# Altium PCB M5_Display.PcbDoc (part 2 of 2)
Units mil, origin at the board's own origin, x right, y up, seen from the top; angles counter-clockwise.
Board outline 2755.91 x 1968.5 mil, 4 copper layers (Top Layer, PWRS, GND, Bottom Layer), stack 61.19 mil thick; 175 components, 119 nets, 540 pads, 377 vias.
Unrouted connection lines stored in the file: 3.
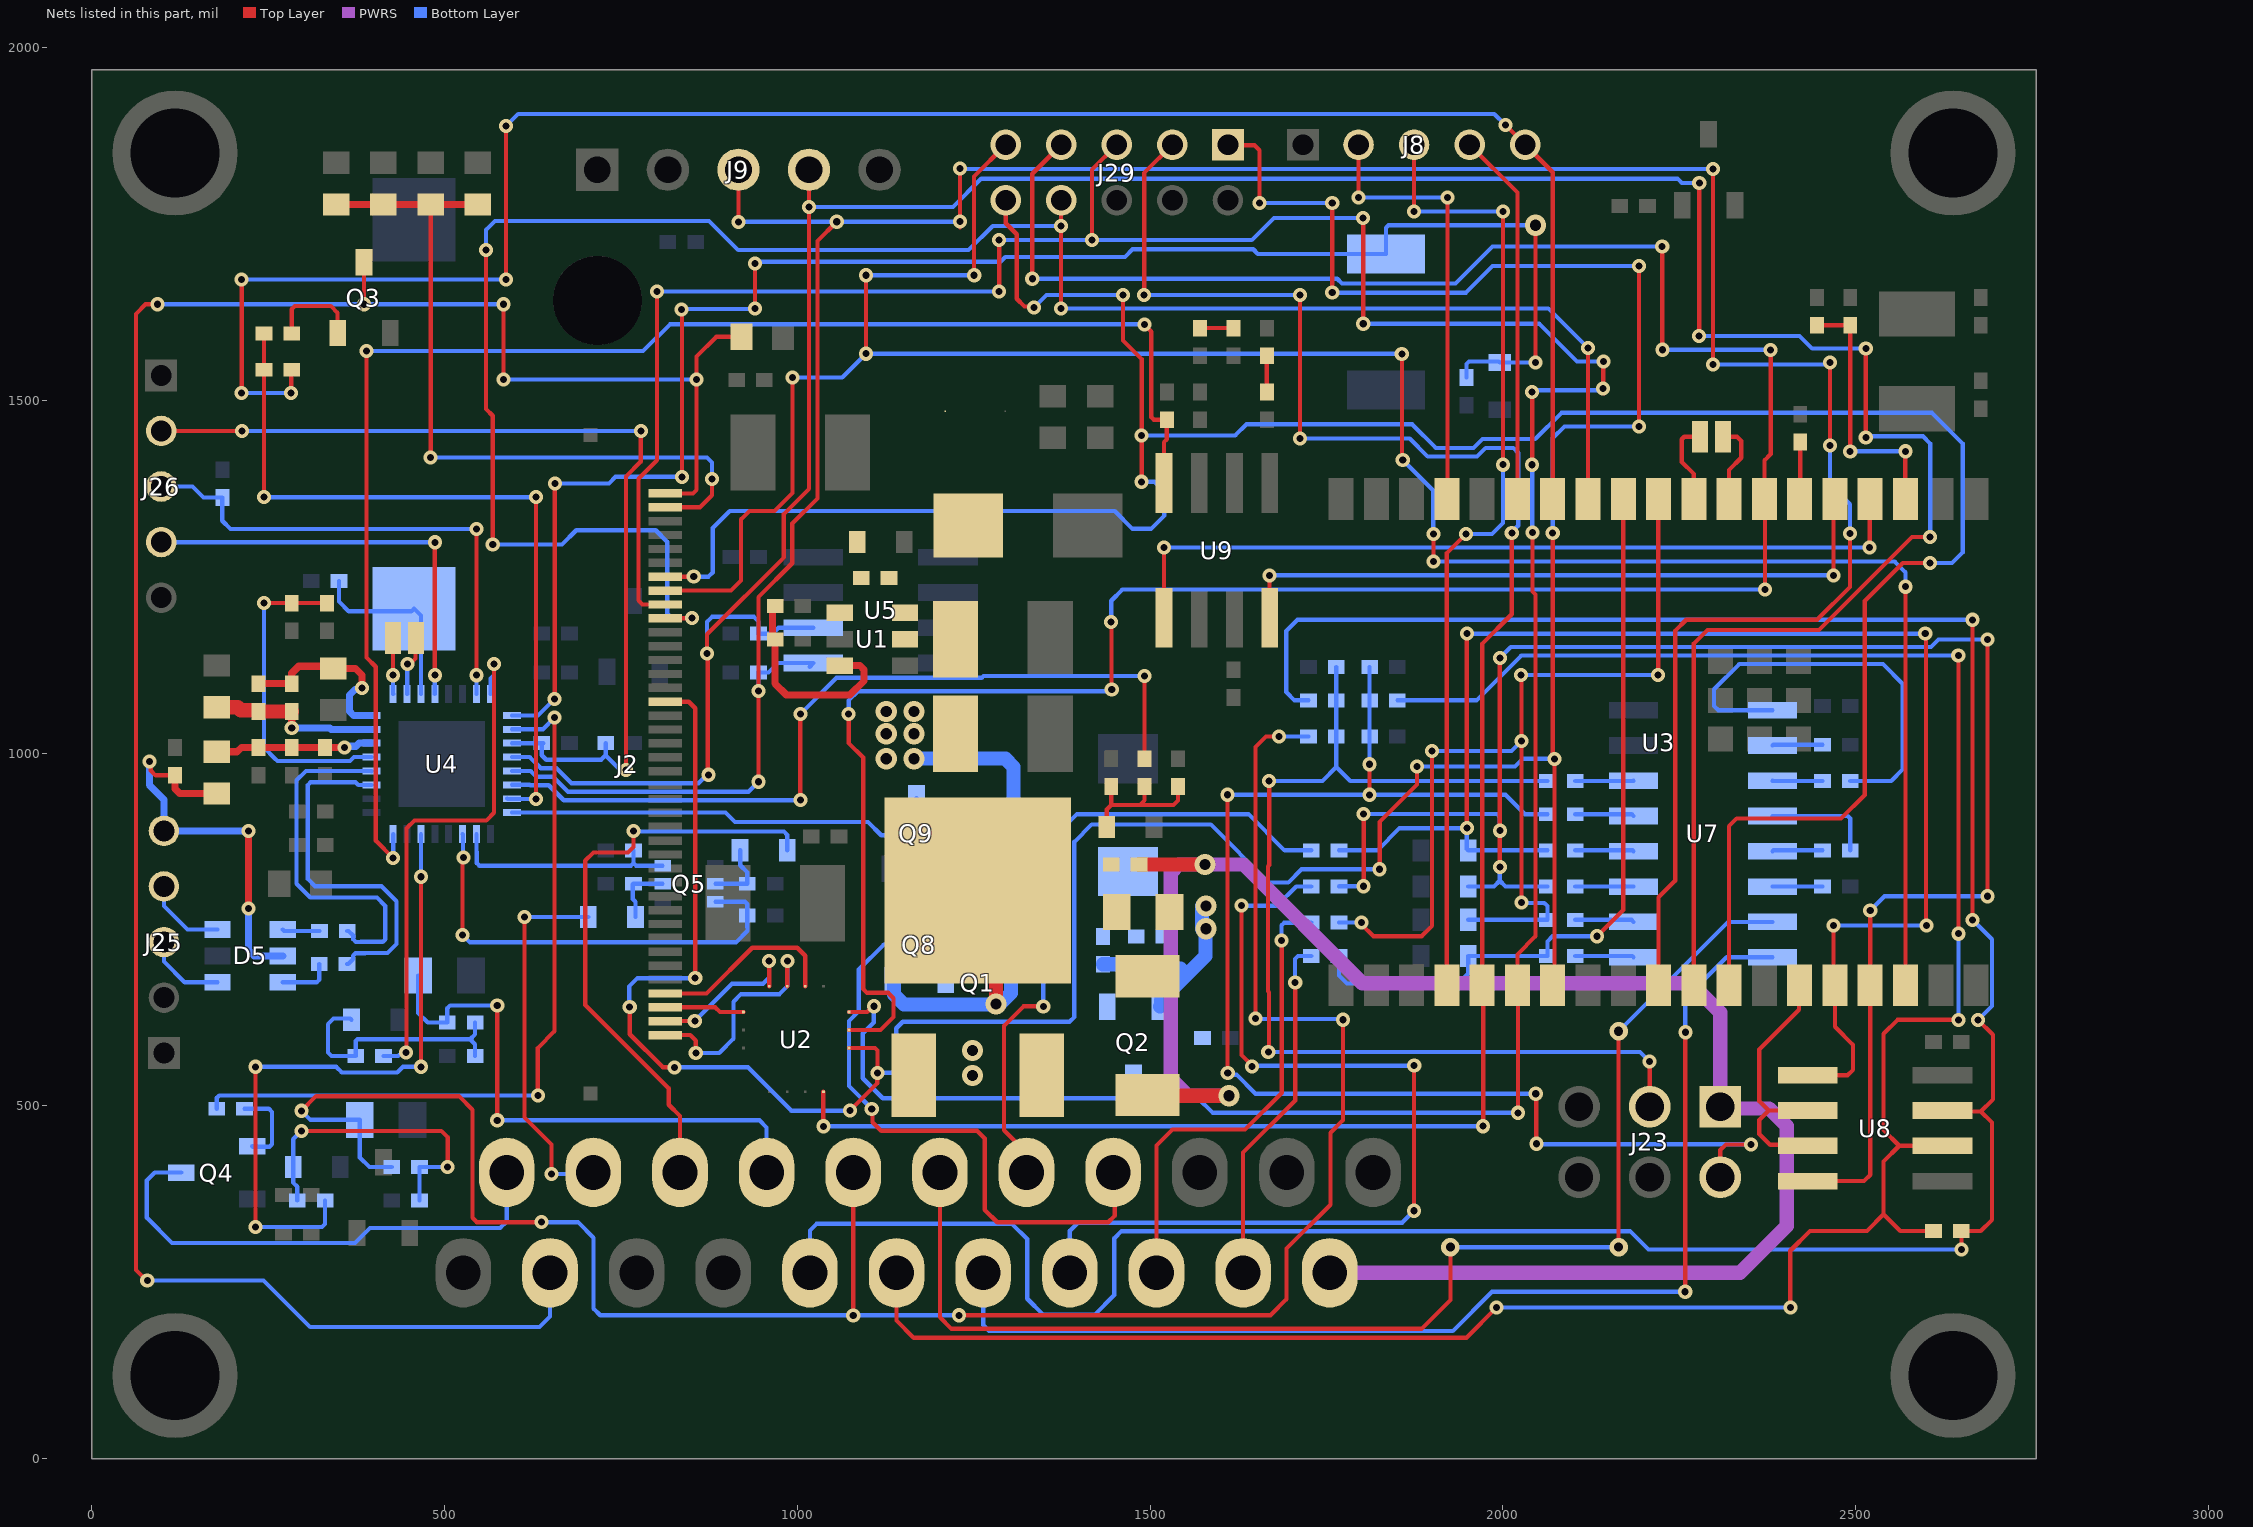
[diagram p4: the nets of this part, all layers, seen from the top]

## Via types
v1: diameter 20, hole 10, Top Layer to Bottom Layer, tented both sides, 313 vias
v2: diameter 30, hole 15.8, Top Layer to Bottom Layer, tented both sides, 47 vias
v3: diameter 25.98, hole 12.99, Top Layer to Bottom Layer, tented both sides, 9 vias
v4: diameter 11.81, hole 7.87, Top Layer to Bottom Layer, tented both sides, 5 vias
v5: diameter 26, hole 13, Top Layer to Bottom Layer, tented both sides, 3 vias

## Nets (pads, with @x,y where several pads share a name; then routed paths per layer and width w, separated by ;. In a path a pad name is that pad's centre, name@x,y a point inside that pad or via, vN(x,y) a via of type N, cw(c..) or ccw(c..) an arc to the next point about the centre after c; other vN are vias at no path point) (continued)
I2C_SCL: J9.4 R33.1 U3.30 U4.20 U5.6 | length 4413.3
  Top Layer w6: v1(874.22,969.32) 873.09,970.45 873.09,1140.21 v1(871.95,1141.34) 871.95,1168.47 980.83,1277.35 980.83,1338.84 1016.54,1374.55 J9.4@1016.54,1826.77 ; U3.30@2270.47,671.26 2270.47,1155.46 2289.69,1174.67 2447.9,1174.67 2579.5,1306.27 v1(2605.37,1306.27) ; v1@2278.21,1594.97 v1(2278.21,1807.97) ; v1(2514.18,1447.47) v1(2514.18,1573.46)
  Bottom Layer w6: U4.20@595.47,994.42 620.6,994.42 636.48,978.54 658.57,978.54 679.76,957.36 859.99,957.36 871.95,969.32 v1(874.22,969.32) ; v1(871.95,1141.34) 871.95,1186.05 879.07,1193.16 938.65,1193.16 944.88,1186.93 R33.1@944.88,1169.29 964.91,1169.29 973.31,1177.69 U5.6@1022.64,1177.69 ; v1(1016.4,1773.98) 1220.41,1773.98 1260.54,1814.12 2247.34,1814.12 2253.49,1807.97 v1(2278.21,1807.97) ; v1(2278.08,1591.16) 2420.33,1591.16 2438.17,1573.32 v1@2514.31,1573.32 ; v1(2514.18,1447.47) 2515.82,1449.11 2595.23,1449.11 2605.37,1438.98 v1(2605.37,1306.27)
I2C_SDA: J9.3 R34.1 U3.29 U4.21 U5.5 | length 4423.1
  Top Layer w6: v1@916.54,1752.96 J9.3@916.54,1826.77 ; v1(944.88,959.46) v1(944.88,1088.25) 944.88,1221.08 992.83,1269.03 992.83,1325.26 1028.54,1360.96 1028.54,1725.8 v1(1055.84,1753.1) ; v1@1229.45,1828.28 1230.39,1827.34 v1(1230.39,1753.23) v1@1230.39,1745.36 ; U3.29@2220.47,671.26 2220.47,795.69 2244,819.22 2244,1173.29 2259.69,1188.98 2445.24,1188.98 2491.87,1235.61 2491.87,1310.8 v1@2492,1310.94 ; v1(2297.77,1550.64) v1@2297.74,1827.5 ; v1(2463.33,1435.82) 2463.39,1435.88 2463.39,1553.15 v1@2463.59,1553.34
  Bottom Layer w6: U4.21@595.47,974.73 622.04,974.73 630.23,966.54 653.6,966.54 674.79,945.36 930.78,945.36 v1(944.88,959.46) ; v1(916.4,1752.96) v1@1055.97,1752.96 ; v1(944.88,1088.25) R34.1@944.88,1114.17 959.14,1114.17 972.66,1127.69 U5.5@1022.64,1127.69 U5.5@1017.46,1122.52 ; v1(1055.84,1753.1) v1@1231.46,1753.1 ; v1@1229.45,1828.28 1229.82,1827.91 v1(2297.72,1827.91) ; v1(2297.77,1550.64) 2456.83,1550.64 2459.67,1553.48 v1(2463.45,1553.48) ; v1(2463.33,1435.82) 2463.33,1381.28 2491.87,1352.75 v1(2491.87,1311.07)
  other v1: 1230.39,1828.28
IN0: DZ6.2 J6.1 | length 838.4
  Top Layer w6: v1(767.86,889.77) 767.86,866.82 760.09,859.05 710.93,859.05 699.47,847.59 699.47,643.23 817.79,524.91 817.79,501.73 833.66,485.86 J6.1@833.66,405.82
  Bottom Layer w6: v1(767.86,889.77) 768.86,888.76 980.98,888.76 985.67,884.07 DZ6.2@985.67,862.51
IN1: DZ5.2 J7.1 | length 535.2
  Top Layer w6: v1@613.25,772.39 613.25,483.83 651.76,445.32 v1(651.76,403.61)
  Bottom Layer w6: v1(613.29,767.72) DZ5.2@703.68,767.72 ; v1(651.76,403.61) 708.67,403.61 J7.1@710.88,405.82
MCU_BACKLIGHT: R17.2 R65.2 U4.23 | length 1086.4
  Top Layer w6: v1(244.09,1362.75) R65.2@244.09,1543.31 R17.2@244.09,1594.49 ; v1@629.2,934.81 v1@629.45,935.06 ; v1(629.7,934.81) v1(629.7,1362.75)
  Bottom Layer w6: v1(244.09,1362.75) v1(629.7,1362.75) ; U4.23@588.85,935.75 589.51,935.09 628.93,935.09 v1@629.2,934.81
MTCK: J8.2 U3.16 | length 628.3
  Top Layer w6: v1(1795.04,1787.54) 1795.16,1787.65 1795.16,1862.09 J8.2@1795.28,1862.2 ; U3.16@1920.47,1360.24 1921.26,1361.02 v1(1921.26,1787.4)
  Bottom Layer w6: v1@1795.18,1787.4 v1(1921.26,1787.4)
MTDI: J8.4 U3.14 | length 530
  Top Layer w6: J8.4@1952.76,1862.2 2020.47,1794.49 U3.14@2020.47,1360.24
MTDO: J8.3 U3.23 | length 1371.4
  Top Layer w6: v1(1874.02,1767.85) J8.3@1874.02,1862.2 ; U3.23@1920.47,671.26 1920.47,1283.75 v1(1947.39,1310.67) ; v1@2000,1408.77 v1(2000,1767.72)
  Bottom Layer w6: v1@1874.02,1767.72 v1(2000,1767.72) ; v1(1947.39,1310.67) 1984.41,1310.67 2000,1326.26 v1(1999.97,1408.74)
MTMS: J8.5 R65.1 U3.13 | length 2844.2
  Top Layer w6: v1(212.46,1510.56) v1(212.46,1671.22) ; v1(282.61,1510.56) 282.61,1542.46 R65.1@283.46,1543.31 ; v1(586.96,1671.24) 587.21,1671.49 587.21,1888.48 v1@587.45,1888.73 ; v1(2003.39,1890.07) 2003.51,1890.07 2031.38,1862.2 J8.5@2031.5,1862.2 2070.47,1823.23 U3.13@2070.47,1360.24
  Top Layer w10: U3.13@2070.47,1360.24 U3.13@2070.87,1360.63
  Bottom Layer w6: v1(212.46,1510.56) v1(282.61,1510.56) ; v1(212.46,1671.22) v1(586.96,1671.24) ; v1(587.21,1888.73) 604.3,1905.82 1987.64,1905.82 v1(2003.39,1890.07)
NetBAT1_1: BAT1.1 R62.2 U4.11 | length 267.7
  Bottom Layer w6: R62.2@350.39,1244.09 350.39,1214.76 364.19,1200.96 452.93,1200.96 BAT1.1@456.69,1204.72 466.54,1194.88 U4.11@466.54,1083.99
NetC1_2: C1.2 DZ2.2 R3.1 R5.2 R6.2 | length 206.3
  Top Layer w6: DZ2.2@1438.51,895.4 1438.51,920.02 1444.88,926.4 ; C1.2@1444.88,952.76 1444.88,926.4 ; R5.2@1492.13,952.76 1492.13,933.07 1485.45,926.4 ; R6.2@1539.37,952.76 1539.37,932.72 1533.05,926.4 1485.45,926.4 ; 1444.88,926.4 1485.45,926.4
NetC2_1: C2.1 D2.2 U1.1
NetC2_2: C2.2 D3.2 L1.1 U1.6
NetC7_1: C7.1 DZ11.2 R9.2 R10.2 | length 356.3
  Bottom Layer w6: DZ11.2@368.11,622.05 366.41,623.75 342.58,623.75 334.75,615.92 334.75,575.72 339.6,570.87 R10.2@374.02,570.87 374.02,592.01 376.5,594.49 536.34,594.49 ; C7.1@543.31,570.87 543.31,587.52 536.34,594.49 ; R9.2@543.31,618.11 543.31,601.46 536.34,594.49
NetC15_1: C15.1 DZ4.2 R20.2 R21.2 | length 446
  Top Layer w6: v1(297.35,464.66) 495.47,464.66 504.37,455.76 v1(504.37,413.39)
  Bottom Layer w6: R21.2@291.34,366.14 291.34,385.59 285.43,391.49 DZ4.2@285.43,413.39 285.43,452.74 v1(297.35,464.66) ; C15.1@464.57,366.14 R20.2@464.57,413.39 v1(504.37,413.39)
NetC16_1: C16.1 DZ5.1 Q5.2 | length 90.6
  Bottom Layer w6: DZ5.1@770.61,767.72 770.61,789.33 766.78,793.17 766.78,814.03 C16.1@767.72,814.96 Q5.2@809.06,814.96
NetC17_1: C17.1 DZ6.1 Q5.5 | length 97.1
  Bottom Layer w6: Q5.5@883.86,814.96 C17.1@929.13,814.96 929.13,831 919,841.13 919,862.26 DZ6.1@918.74,862.51
NetC21_1: C21.1 R27.1 U3.3 | length 371.7
  Top Layer w6: C21.1@2444.88,1606.3 R27.1@2492.13,1606.3 2492.08,1606.25 v1(2492.08,1427.67) ; v1(2570.25,1427.78) 2570.25,1360.46 U3.3@2570.47,1360.24
  Bottom Layer w6: v1(2492.08,1427.67) 2492.14,1427.72 2570.2,1427.72 v1(2570.25,1427.78)
NetC33_2: C33.2 U7.2 | length 71.3
  Bottom Layer w6: U7.2@2381.89,1010.83 2382.87,1011.81 C33.2@2452.76,1011.81
NetC34_1: C34.1 U7.4 | length 156.8
  Bottom Layer w6: U7.4@2381.89,910.83 2488.61,910.83 2492.13,907.31 C34.1@2492.13,862.2
NetC34_2: C34.2 U7.5 | length 71.4
  Bottom Layer w6: U7.5@2381.89,860.83 2383.27,862.2 C34.2@2452.76,862.2
NetC35_1: C35.1 U7.1 | length 605
  Bottom Layer w6: U7.1@2381.89,1060.83 2305.31,1060.83 2299.21,1066.93 2299.21,1090.55 2334.95,1126.29 2538.46,1126.29 2566.38,1098.37 2566.38,976.69 2550.33,960.63 C35.1@2492.13,960.63
NetC35_2: C35.2 U7.3 | length 70.9
  Bottom Layer w6: U7.3@2381.89,960.83 2382.09,960.63 C35.2@2452.76,960.63
NetC36_1: C36.1 U7.6 | length 70.9
  Bottom Layer w6: U7.6@2381.89,810.83 2452.56,810.83 C36.1@2452.76,811.02
NetC38_2: C38.2 R48.1 | length 47.2
  Top Layer w6: R48.1@1570.87,1602.36 C38.2@1618.11,1602.36
NetC39_2: C39.2 R49.1 | length 51.2
  Top Layer w6: R49.1@1665.35,1511.81 C39.2@1665.35,1562.99
NetC41_2: C41.2 C42.1 U4.5 | length 448.7
  Top Layer w6: v1(244.09,1212.6) C41.2@283.46,1212.6 C42.1@333.2,1212.6
  Bottom Layer w6: v1@244.09,1204.72 244.09,1007.87 259.86,992.11 263.09,988.87 365.99,988.87 371.54,994.42 U4.5@396.65,994.42
NetD5_4: D5.4 R61.1 | length 53
  Bottom Layer w6: D5.4@270.67,750 272.64,748.03 R61.1@322.83,748.03
NetD5_6: D5.6 R36.1 | length 75.5
  Bottom Layer w6: D5.6@270.67,675.2 318.77,675.2 322.29,678.71 R36.1@322.29,701.09
NetDZ1_2: DZ1.2 R2.1
NetDZ3_2: DZ3.2 R18.1 R19.1 U4.17 | length 2433.6
  Top Layer w6: v1(655.76,1076.97) 656.18,1077.39 656.18,1381.77 v1(656.61,1382.19) ; v1(836.4,1391.38) v1@836.4,1628.42 ; v1(939.89,1630.22) v1(939.89,1693.93) ; v1(2046.11,1553.54) v2(2046.11,1748.17)
  Bottom Layer w6: U4.17@595.47,1053.47 632.26,1053.47 v1(655.76,1076.97) ; v1(656.61,1382.19) 732.9,1382.19 742.34,1391.63 v1@836.4,1391.63 ; v1(835.83,1628.99) 836.45,1629.61 939.27,1629.61 v1(939.89,1630.22) ; v1(939.89,1693.93) 942.23,1696.26 1287.51,1696.26 1294.53,1703.28 1464.2,1703.28 1475.02,1714.1 1646,1714.1 1652.55,1707.55 R19.1@1834.41,1707.55 1834.41,1744.66 1837.92,1748.17 v2@2045.47,1748.17 ; R18.1@1948.27,1532.35 1948.27,1551.53 1951.79,1555.04 1994.01,1555.04 DZ3.2@1995.52,1553.54 v1(2046.11,1553.54)
NetJ1_1: J1.1 J2.1 Q3.2 R12.2 | length 3320.7
  Top Layer w6: v1(78.74,252.63) 77.55,252.63 62.59,267.6 62.59,1622.51 76.24,1636.15 v1(93.12,1636.15) ; Q3.2@385.83,1695.87 385.83,1636.29 v1(385.96,1636.15) ; v1(583.44,1529.4) v1@583.5,1636.1 ; J2.1@812.99,1368.11 852.2,1368.11 857.23,1373.14 v1(857.23,1529.4) 857.23,1562.23 884.96,1589.97 R12.2@920.69,1589.97
  Bottom Layer w6: v1(78.74,252.63) 243.52,252.63 309.56,186.6 634.54,186.6 649.48,201.54 J1.1@649.48,263.58 ; v1(93.12,1636.15) v1(385.96,1636.15) v1@583.5,1636.15 ; v1(583.44,1529.4) v1(857.23,1529.4)
  other v1: 583.55,1636.15
NetJ2_2: J2.2 R13.2 R14.2 R15.2 R16.2 | length 1080
  Top Layer w6: R13.2@480.31,1777.56 480.31,1420.02 v1@481.2,1419.14 ; J2.2@812.99,1348.42 861.98,1348.42 879.06,1365.51 v1(879.06,1388.72)
  Top Layer w10: R16.2@346.46,1777.56 R15.2@413.39,1777.56 R13.2@480.31,1777.56 R14.2@547.24,1777.56
  Bottom Layer w6: v1@481.2,1419.14 871.83,1419.14 879.06,1411.91 v1(879.06,1388.72)
  other v1: 480.31,1419.14
NetJ4_1: J4.1 R20.1 R22.2 R60.2 | length 3105.8
  Top Layer w6: v1(297.35,493.12) 318.07,513.84 520.34,513.84 539.53,494.65 539.53,341.46 545.71,335.28 v1(637.59,335.28) ; v1(1079.23,203.29) J4.1@1079.23,405.82 ; v1(1229.09,203.33) 1670.47,203.33 1693.33,226.19 1693.33,297.83 1755.46,359.96 1755.46,461.96 1773.36,479.86 v1(1773.36,622.15) ; v1(1649.37,624.17) 1649.37,1008.82 1664.21,1023.67 v1(1682.81,1023.67)
  Bottom Layer w6: v1(297.35,493.12) 310.16,480.32 R22.2@379.92,480.32 379.92,426.93 393.46,413.39 R20.1@425.2,413.39 ; v1(637.59,335.28) 689.27,335.28 711.28,313.27 711.28,212.7 720.65,203.33 v1(1229.09,203.33) ; v1(1649.37,624.17) 1650.38,623.16 1772.35,623.16 v1(1773.36,622.15) ; v1(1682.81,1023.67) R60.2@1724.41,1023.62 R60.2@1724.41,1023.62
NetJ5_1: J5.1 Q4.2 | length 713.1
  Bottom Layer w6: Q4.2@126.97,405.51 89.34,405.51 78.03,394.2 78.03,341.68 113.8,305.91 373.25,305.91 394.49,327.15 578.83,327.15 588.08,336.4 J5.1@588.08,405.82
NetJ22_1: J22.1 R9.1 R11.2 | length 805.5
  Top Layer w6: v1(574.68,479.65) v1(574.68,642.45)
  Bottom Layer w6: R11.2@462.6,685.04 462.6,631.65 476.14,618.11 R9.1@503.94,618.11 503.94,638.45 507.94,642.45 v1(574.68,642.45) ; v1(574.68,479.65) 946.34,479.65 956.43,469.57 J22.1@956.43,405.82
NetQ1_1: Q1.1 Q2.2 R4.2
  other v2: 1248.03,543.31 1248.03,578.74
NetQ2_1: Q2.1 R1.1 R2.2
NetQ3_1: Q3.1 R17.1 | length 134
  Top Layer w6: R17.1@283.46,1594.49 283.46,1629.2 287.87,1633.6 338.83,1633.6 348.43,1624.01 Q3.1@348.43,1595.47
NetQ4_1: Q4.1 R23.1 | length 116.7
  Bottom Layer w6: R23.1@216.54,496.06 250.98,496.06 255.59,491.46 255.59,445.73 252.07,442.22 228.06,442.22 Q4.1@227.36,442.91
NetQ5_3: Q5.3 R25.2 U4.26 | length 327.1
  Bottom Layer w6: U4.26@545.28,885.17 545.28,860.39 545.77,859.89 545.77,844.07 549.29,840.55 764.1,840.55 767.72,844.16 ; R25.2@767.72,862.2 767.72,844.16 ; Q5.3@809.06,840.55 771.33,840.55 767.72,844.16
NetQ5_6: Q5.6 R24.2 U4.27 | length 643.1
  Top Layer w6: v1(525.59,742.15) 525.59,850.84 v1(526.77,852.02)
  Bottom Layer w6: v1(525.59,742.15) 525.84,742.15 536.11,731.88 912.91,731.88 929.29,748.25 929.29,753.22 929.13,753.38 R24.2@929.13,770.15 929.13,785.86 925.62,789.37 Q5.6@883.86,789.37 ; U4.27@525.59,885.17 526.18,884.58 526.18,852.61 v1(526.77,852.02)
NetQ8_1: Q8.1 R52.1 | length 81.7
  Bottom Layer w6: Q8.1@1210.08,678.46 1210.08,703.06 1219.62,712.6 R52.1@1263.23,712.6
NetQ9_1: Q9.1 R57.1 | length 85.7
  Bottom Layer w6: Q9.1@1206.15,835.94 1206.15,859 1209.66,862.51 1266.86,862.51 R57.1@1267.17,862.2
NetQ9_2: Q9.2 R55.1 | length 130.1
  Bottom Layer w6: Q9.2@1168.74,936.33 1168.74,909.33 1172.26,905.82 1235.67,905.82 1243.55,913.69 R55.1@1267.17,913.69
NetR5_1: R5.1 U4.22 | length 1167.5
  Top Layer w6: v1(1004.24,933.32) v1(1004.24,1055.6) ; v1(1491.92,1109.47) 1491.92,992.33 R5.1@1492.13,992.13
  Bottom Layer w6: U4.22@595.47,955.05 620.8,955.05 621.31,954.54 647.76,954.54 668.99,933.32 v1(1004.24,933.32) ; v1(1004.24,1055.6) 1055.52,1106.88 1261.36,1106.88 1263.95,1109.47 v1(1491.92,1109.47)
NetR7_1: R7.1 R8.2 U1.3 | length 303.6
  Top Layer w10: R8.2@964.57,1161.42 R7.1@964.57,1208.66 ; R8.2@968.5,1161.42 968.5,1098.43 984.25,1082.68 1074.8,1082.68 1094.49,1102.36 1094.49,1118.16 1088.63,1124.02 U1.3@1060.04,1124.02
NetR10_1: R10.1 U4.16 | length 738.7
  Top Layer w6: v1(445.62,575.49) 446.17,576.03 446.17,893.49 457.32,904.65 559.26,904.65 570.11,915.5 v1@570.11,1124.08
  Bottom Layer w6: R10.1@413.39,570.87 434.4,570.87 436.35,572.81 442.95,572.81 v1(445.62,575.49) ; U4.16@564.96,1083.99 564.96,1105.82 570.11,1110.97 v1(570.11,1126.53)
NetR21_1: R21.1 U4.30 | length 935.1
  Top Layer w6: v1(232.08,328.28) v1(232.08,555.49) v1@232.08,558.68 ; v1(466.54,555.49) v1(466.54,824.85)
  Bottom Layer w6: v1(232.08,328.28) 326.28,328.28 330.71,332.72 R21.1@330.71,366.14 ; v1(232.08,555.49) 346.38,555.49 354.42,547.46 433.05,547.46 441.08,555.49 v1(466.54,555.49) ; v1(466.54,824.85) U4.30@466.54,885.17
NetR23_2: R23.2 U4.18 | length 1084.5
  Top Layer w6: v1(632.25,514.97) 632.25,582.21 656,605.96 v1(656,1050.34)
  Bottom Layer w6: R23.2@177.17,496.06 177.17,511.45 180.68,514.97 v1(632.25,514.97) ; U4.18@595.47,1033.79 639.45,1033.79 v1(656,1050.34)
NetR31_1: R31.1 U3.6 | length 81
  Top Layer w6: U3.6@2420.47,1360.24 2421.26,1361.02 R31.1@2421.26,1440.94
NetR37_2: R37.2 U7.12 | length 83.2
  Bottom Layer w6: R37.2@2102.36,862.2 2183.66,862.2 U7.12@2185.04,860.83
NetR39_1: R39.1 U7.11 | length 82.8
  Bottom Layer w6: R39.1@2102.36,811.02 2184.84,811.02 U7.11@2185.04,810.83
NetR40_2: R40.2 U7.10 | length 83.9
  Bottom Layer w6: R40.2@2102.36,763.78 2182.09,763.78 U7.10@2185.04,760.83
NetR41_2: R41.2 U7.9 | length 83.4
  Bottom Layer w6: R41.2@2102.36,712.6 2183.27,712.6 U7.9@2185.04,710.83
NetR57_2: R57.2 U4.24 | length 741.6
  Bottom Layer w6: U4.24@595.47,915.68 898.21,915.68 911.65,902.23 1100.22,902.23 1118.85,883.6 1299.53,883.6 1305.6,877.53 1305.6,863.15 R57.2@1306.54,862.2
NetU3_8: U3.8 Y1.2 | length 117.8
  Top Layer w6: Y1.2@2311.61,1448.33 2331.71,1448.33 2337.73,1442.31 2337.73,1418.56 2320.47,1401.31 U3.8@2320.47,1360.24
NetU3_9: U3.9 Y1.1 | length 119
  Top Layer w6: U3.9@2270.47,1360.24 2270.47,1395.58 2253.29,1412.76 2253.29,1444.81 2256.81,1448.33 Y1.1@2279.13,1448.33
NetU3_33: U3.33 U8.2 U8.3 | length 376.9
  Top Layer w6: U3.33@2420.47,671.26 2419.71,670.5 2419.71,636.25 2363.27,579.81 2363.27,506.8 2376.57,493.5 ; U8.3@2432.09,443.5 2430.71,444.88 2378.78,444.88 2363.27,460.38 2363.27,480.2 2376.57,493.5 ; U8.2@2432.09,493.5 2376.57,493.5
NetU4_9: U4.9 Y2.2 | length 79.6
  Top Layer w6: v1(427.1,1110.42) 427.1,1163.09 Y2.2@427.17,1163.16
  Bottom Layer w6: U4.9@427.13,1083.69 v1@427.13,1110.39
NetU4_10: U4.10 Y2.1 | length 87
  Top Layer w6: v1(447.51,1126.53) 451.3,1126.53 458.84,1134.07 458.84,1162.36 Y2.1@459.65,1163.16
  Bottom Layer w6: U4.10@446.85,1083.66 447.18,1083.99 447.18,1126.2 v1(447.51,1126.53)
RESET: C45.2 J26.2 R64.1 U4.19 | length 1380.4
  Top Layer w6: J26.2@98.43,1456.61 v1(213.08,1456.61) ; v1(757,976.36) 757,1391.96 778.14,1413.1 v1(778.14,1456.61)
  Bottom Layer w6: v1(213.08,1456.61) v1(778.14,1456.61) ; U4.19@595.47,1014.1 C45.2@639.76,1014.1 ; C45.2@637.8,1014.1 637.8,996.91 644.16,990.54 721.96,990.54 728.35,996.93 ; R64.1@728.35,1014.1 728.35,996.93 ; v1(757,976.36) 754.32,979.04 746.24,979.04 728.35,996.93
RS485_A: J10.1 R38.2 R50.2 U8.6 | length 3466.2
  Top Layer w6: J10.1@1140.59,264.82 J10.1@1140.59,263.58 1140.59,195.78 1164.83,171.55 1948.12,171.55 v1(1991.08,214.5) ; v1(2407.21,214.31) 2407.21,294.82 2435.22,322.83 2515.75,322.83 2539.37,346.46 ; R38.2@2610.24,322.83 2562.99,322.83 2539.37,346.46 ; U8.6@2623.03,443.5 2561.61,443.5 ; v1(2645.29,1138.41) 2645.48,1138.22 2645.48,744.28 v1(2645.67,744.09) ; v1(2645.67,622.05) 2559.06,622.05 2539.37,602.36 2539.37,465.75 2561.61,443.5 ; 2539.37,346.46 2539.37,421.26 2561.61,443.5
  Bottom Layer w6: R50.2@1850.39,1074.8 1962.54,1074.8 2026.03,1138.29 2567.84,1138.29 2645.17,1138.29 v1(2645.29,1138.41) ; v1(1991.08,214.5) 2407.02,214.5 v1(2407.21,214.31) ; v1(2645.67,622.05) v1(2645.67,744.09)
RS485_B: J11.1 R38.1 R56.2 U8.7 | length 4030.9
  Top Layer w6: U8.7@2623.03,493.5 2624.41,492.13 2677.17,492.13 ; v1(2649.98,296.53) 2649.98,322.46 R38.1@2649.61,322.83 2677.17,322.83 2692.91,338.58 2692.91,476.38 2677.17,492.13 ; v1(2665.35,763.78) v1(2665.35,1188.98) ; v1(2673.23,622.05) 2694.41,600.87 2694.41,509.37 2677.17,492.13
  Bottom Layer w6: J11.1@1017.81,263.58 1017.81,323.58 1027.12,332.89 1304.43,332.89 1325.88,311.44 1325.88,226.76 1348.06,204.58 1421.63,204.58 1449,231.96 1449,312.36 1459.19,322.55 2180.11,322.55 2206.13,296.53 v1(2649.98,296.53) ; R56.2@1724.41,1074.8 1704.72,1074.8 1692.91,1086.61 1692.91,1173.23 1708.66,1188.98 v1(2665.35,1188.98) ; v1(2665.35,763.78) 2692.91,736.22 2692.91,641.73 v1(2673.23,622.05)
RSCAN0: R47.2 U4.32 U9.8 | length 2136.6
  Top Layer w6: v1(389.33,1569.74) 389.33,1135.57 402.56,1122.33 402.56,875.96 v1(427.17,851.36) ; v1(1491.9,1607.7) 1491.9,1606.97 1501.68,1597.19 1501.68,1475.96 1505.2,1472.44 R47.2@1523.62,1472.44 1523.62,1444.88 1519.49,1440.75 U9.8@1519.49,1382.87
  Bottom Layer w6: v1(389.33,1569.74) 781.39,1569.74 819.35,1607.7 v1(1491.9,1607.7) ; v1(427.17,851.36) U4.32@427.17,885.17
RXCAN0: U3.5 U9.4 | length 968.4
  Top Layer w6: v1(1669.29,1251.97) 1669.29,1192.13 U9.4@1669.49,1191.93 ; v1(2468.5,1251.97) 2468.5,1358.27 U3.5@2470.47,1360.24
  Bottom Layer w6: v1(1669.29,1251.97) v1(2468.5,1251.97)
RXD0_232: R53.2 U7.13 | length 83.7